# Allegro board 6089-103-RevB_76.brd (continued)
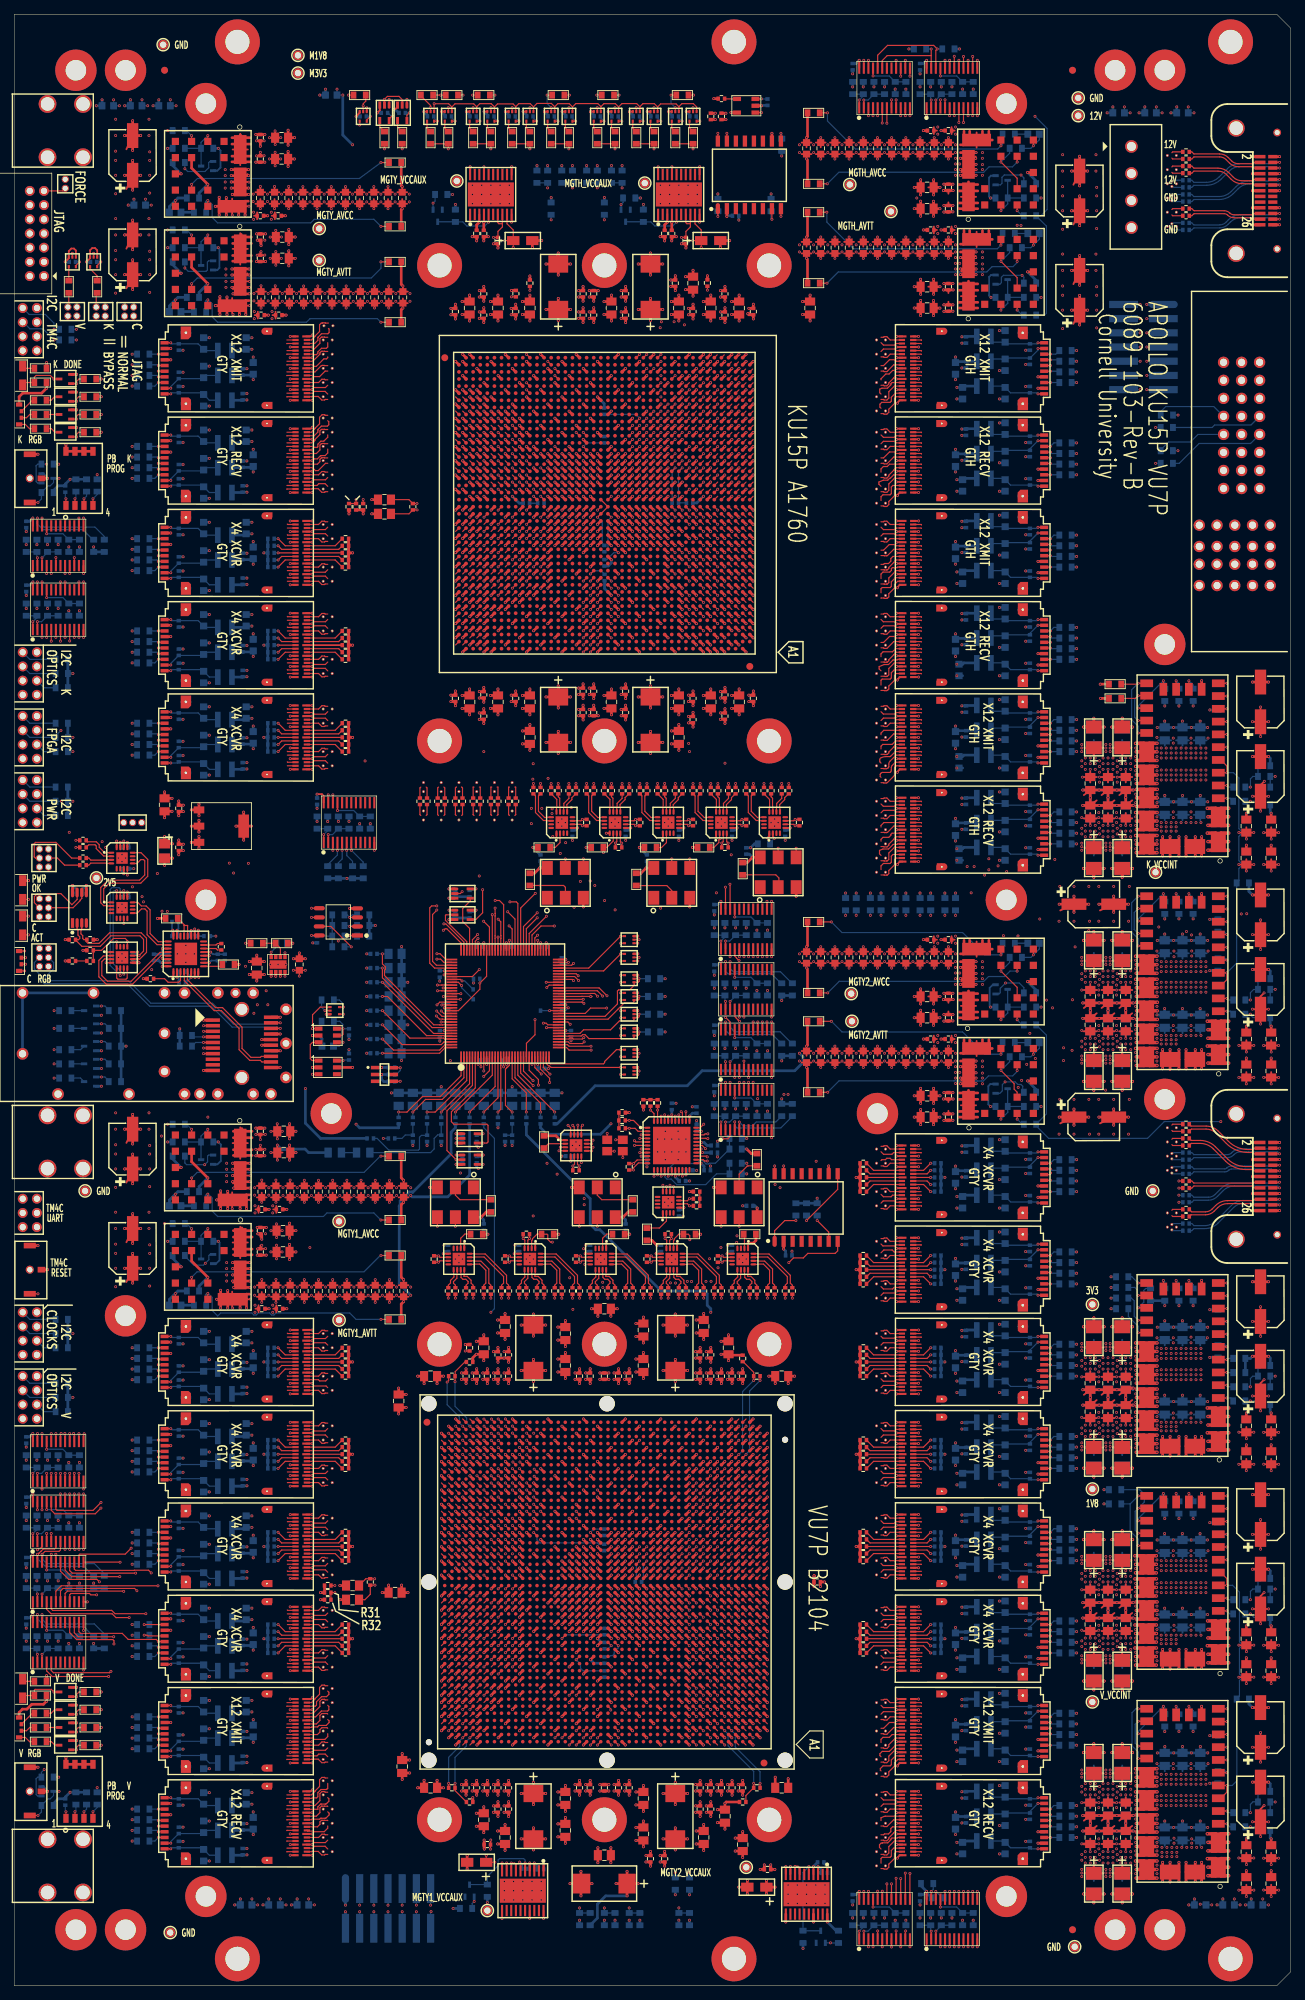
[diagram p0: board, top side]
## Routing (per net, layer and track width the routed paths; a pad name or vN(x,y) marks a point on that pad's centre or on a via; arc(x,y) is an arc through that point) (continued)
PK_FF3_RECV3: length 30
  TOP w0.165: U65.AT2 103.17,223.87 ; 127.9,217.38 127.9,217.35 127.85,217.4 U105.B15
  SIG2 w0.083: 127.9,217.38 127.61,217.38 127.43,217.21 124.81,217.21 arc(124.61,217.25) 124.44,217.36 124.08,217.72 arc(123.78,217.92) 123.44,217.99 112.48,217.99 arc(111.17,218.25) 110.05,218.99 104.54,224.51 103.93,224.51 arc(103.82,224.49) 103.73,224.42 103.69,224.39 arc(103.63,224.29) 103.61,224.18 103.61,223.86 103.19,223.86 103.17,223.87
PK_FF3_RECV4: length 28.9
  TOP w0.165: U65.AR4 101.17,222.87 ; 122.2,215.28 122.56,215.28 123.4,216.12 124.13,216.12 124.34,215.9 U105.A12
  SIG4 w0.083: 122.2,215.28 121.32,215.28 arc(121.18,215.25) 121.07,215.17 120.96,215.07 arc(120.89,215.02) 120.82,215.01 120.7,215.01 arc(120.6,215.03) 120.51,215.09 113.4,222.2 arc(111.95,223.17) 110.24,223.51 101.93,223.51 arc(101.69,223.41) 101.59,223.17 101.59,222.96 arc(101.57,222.9) 101.51,222.87 101.17,222.87
PK_FF3_RECV5: length 29.9
  TOP w0.165: U105.B12 127.85,215.9 127.9,215.85 127.9,215.88 ; U65.AP2 103.17,221.87
  SIG2 w0.083: 127.9,215.88 127.61,215.88 127.4,215.68 126.47,215.68 arc(126.29,215.71) 126.13,215.82 126.11,215.84 arc(125.9,215.98) 125.65,216.03 112.64,216.03 arc(111.34,216.29) 110.24,217.02 104.75,222.52 103.93,222.52 arc(103.81,222.5) 103.72,222.44 103.69,222.4 arc(103.62,222.31) 103.6,222.2 103.6,221.85 103.2,221.85 103.17,221.87
PK_FF3_RECV6: length 29.2
  TOP w0.165: U105.A9 123.4,214.4 123.07,214.06 122.53,214.06 122.2,213.74 122.2,213.28 ; U65.AN4 101.17,220.87
  SIG4 w0.083: 101.17,220.87 101.49,220.87 101.57,220.96 101.57,221.16 arc(101.67,221.41) 101.92,221.51 110.84,221.51 arc(111.99,221.28) 112.97,220.63 120.38,213.21 arc(120.55,213.1) 120.76,213.06 121.03,213.06 arc(121.19,213.09) 121.32,213.18 121.32,213.18 arc(121.43,213.25) 121.56,213.28 122.2,213.28
PK_FF3_RECV7: length 29.8
  TOP w0.165: U65.AM2 103.17,219.87 ; 127.9,214.38 127.9,214.35 127.85,214.4 U105.B9
  SIG2 w0.083: 103.17,219.87 103.2,219.85 103.59,219.85 103.59,220.2 arc(103.61,220.31) 103.68,220.41 103.71,220.44 arc(103.8,220.51) 103.92,220.53 104.72,220.53 110.3,214.95 arc(111.28,214.29) 112.45,214.06 125.47,214.06 arc(125.54,214.08) 125.6,214.12 125.61,214.13 arc(125.71,214.2) 125.83,214.22 127.45,214.22 127.61,214.38 127.9,214.38
PK_FF3_RECV8: length 30
  TOP w0.165: U105.A6 123.99,212.9 123.54,212.45 123.39,212.39 123.15,212.14 122.53,212.14 121.9,211.88 121.9,211.58 122.2,211.28 ; U65.AL4 101.17,218.87
  SIG4 w0.083: 101.17,218.87 101.52,218.87 101.57,218.92 101.57,219.17 arc(101.67,219.42) 101.93,219.53 110.36,219.53 arc(112.08,219.19) 113.54,218.21 120.76,210.99 arc(120.79,210.97) 120.84,210.96 120.97,210.96 arc(121,210.97) 121.02,210.98 121.29,211.25 arc(121.32,211.27) 121.36,211.28 122.2,211.28
PK_FF3_RECV9: length 29.8
  TOP w0.165: U105.B6 127.85,212.9 127.9,212.85 127.9,212.88 ; U65.AK2 103.17,217.87
  SIG2 w0.083: 127.9,212.88 127.61,212.88 127.45,212.72 124.34,212.72 arc(123.94,212.64) 123.61,212.42 123.47,212.28 arc(123.19,212.09) 122.86,212.03 112.7,212.03 arc(111.6,212.25) 110.67,212.87 105.6,217.94 arc(104.95,218.37) 104.18,218.53 103.9,218.53 arc(103.78,218.51) 103.69,218.44 103.65,218.41 arc(103.59,218.31) 103.57,218.2 103.57,217.96 103.49,217.87 103.17,217.87
PK_FF3_RECV10: length 30.3
  TOP w0.165: 122.2,209.28 122.2,209.81 122.47,210.08 123.48,210.08 123.65,210.25 123.65,211.18 123.87,211.4 U105.A3 ; U65.AJ4 101.17,216.87
  SIG4 w0.083: 122.2,209.28 121.58,209.28 arc(121.42,209.25) 121.28,209.16 121.16,209.04 arc(121.13,209.02) 121.1,209.01 120.92,209.01 arc(120.89,209.02) 120.86,209.04 113.51,216.39 arc(112.25,217.23) 110.77,217.53 101.9,217.53 arc(101.67,217.43) 101.57,217.19 101.57,217 arc(101.53,216.91) 101.44,216.87 101.17,216.87
PK_FF3_RECV11: length 29.9
  TOP w0.165: U105.B3 127.85,211.4 127.9,211.35 127.9,211.38 ; U65.AH2 103.17,215.87
  SIG2 w0.083: 103.17,215.87 103.49,215.87 103.57,215.96 103.57,216.2 arc(103.59,216.31) 103.65,216.41 103.69,216.44 103.9,216.53 104.74,216.53 105.87,216.06 110.54,211.39 arc(111.2,210.86) 111.95,210.46 112.56,210.22 arc(112.99,210.1) 113.42,210.06 122.82,210.06 arc(123.33,210.16) 123.76,210.45 124.16,210.85 arc(124.57,211.13) 125.05,211.22 127.45,211.22 127.61,211.38 127.9,211.38
PK_FF3_XMIT0: length 37.7
  TOP w0.165: 127.9,231.88 127.9,231.85 127.85,231.9 U104.B18 ; U65.AT10 95.17,223.87
  SIG3 w0.083: 127.9,231.88 127.69,231.68 124.21,231.68 arc(123.77,231.59) 123.39,231.34 123.28,231.23 arc(123.07,231.09) 122.83,231.04 114.43,231.04 arc(112.45,230.65) 110.77,229.53 106.73,225.49 arc(105.59,224.72) 104.25,224.46 95.92,224.46 arc(95.8,224.43) 95.71,224.37 95.67,224.33 arc(95.6,224.24) 95.58,224.12 95.58,223.87 95.18,223.87 95.17,223.87
PK_FF3_XMIT1: length 30.3
  TOP w0.165: U65.AT6 99.17,223.87 ; U104.A18 123.49,231.9 123.03,232.36 122.64,232.36 122.56,232.28 122.2,232.28
  SIG1 w0.083: 122.2,232.28 121.53,232.28 arc(121.43,232.26) 121.34,232.2 121.22,232.08 arc(121.14,232.03) 121.05,232.01 120.52,232.01 arc(120.26,231.96) 120.03,231.81 113.63,225.41 arc(113.35,225.18) 113.02,225 112.16,224.64 arc(111.8,224.54) 111.44,224.5 99.91,224.5 arc(99.67,224.4) 99.57,224.17 99.57,223.98 arc(99.53,223.91) 99.44,223.87 99.17,223.87
PK_FF3_XMIT2: length 35.5
  TOP w0.165: U65.AR8 97.17,222.87 ; 127.9,230.38 127.9,230.35 127.85,230.4 U104.B15
  SIG3 w0.083: 97.17,222.87 97.49,222.87 97.57,222.96 97.57,223.2 arc(97.59,223.31) 97.65,223.41 97.69,223.44 arc(97.78,223.51) 97.9,223.53 105.54,223.53 arc(106.6,223.74) 107.51,224.34 110.74,227.58 arc(112.28,228.61) 114.1,228.97 122.21,228.97 arc(122.67,229.06) 123.06,229.32 123.6,229.86 arc(124.05,230.16) 124.58,230.26 127.78,230.26 127.9,230.38
PK_FF3_XMIT3: length 34.9
  TOP w0.165: U104.A15 124.34,230.4 124.12,230.62 122.54,230.62 122.2,230.28 ; U65.AP10 95.17,221.87
  SIG1 w0.083: 122.2,230.28 121.51,230.28 arc(121.43,230.27) 121.36,230.22 121.25,230.11 arc(121.14,230.04) 121,230.01 120.44,230.01 arc(120.32,229.99) 120.22,229.92 114.07,223.77 arc(113.8,223.59) 113.48,223.53 96.03,223.53 arc(95.92,223.51) 95.82,223.44 95.73,223.35 arc(95.65,223.23) 95.62,223.09 95.62,222.19 95.3,221.87 95.17,221.87
PK_FF3_XMIT4: length 33.3
  TOP w0.165: U65.AP6 99.17,221.87 ; U104.B12 127.85,228.9 127.9,228.85 127.9,228.88
  SIG3 w0.083: 99.17,221.87 99.49,221.87 99.57,221.96 99.57,222.2 arc(99.59,222.31) 99.65,222.41 99.69,222.44 arc(99.78,222.51) 99.9,222.53 106.82,222.53 arc(107.8,222.72) 108.63,223.28 111.27,225.91 arc(112.48,226.73) 113.91,227.01 122.15,227.01 arc(122.56,227.09) 122.91,227.32 123.9,228.32 arc(124.33,228.6) 124.84,228.7 127.72,228.7 127.9,228.88
PK_FF3_XMIT5: length 32.7
  TOP w0.165: U104.A12 124.34,228.9 124.13,229.11 123.39,229.11 122.56,228.28 122.2,228.28 ; U65.AN8 97.17,220.87
  SIG1 w0.083: 122.2,228.28 121.54,228.28 arc(121.43,228.26) 121.34,228.2 121.27,228.13 arc(121.15,228.05) 121,228.02 120.53,228.02 arc(120.34,227.98) 120.17,227.87 115.51,223.21 arc(114.75,222.7) 113.86,222.53 97.94,222.53 arc(97.8,222.5) 97.68,222.42 97.66,222.4 arc(97.59,222.3) 97.57,222.18 97.57,220.96 97.49,220.87 97.17,220.87
PK_FF3_XMIT6: length 37.7
  TOP w0.165: U65.AM10 95.17,219.87 ; U104.B9 127.85,227.4 127.9,227.35 127.9,227.38
  SIG3 w0.083: 127.9,227.38 127.74,227.22 126.37,227.22 arc(125.83,227.11) 125.37,226.81 124.08,225.52 arc(123.49,225.13) 122.8,224.99 113.54,224.99 arc(112.54,224.79) 111.7,224.22 109.79,222.32 arc(108.9,221.72) 107.84,221.51 99.12,221.51 arc(98.93,221.47) 98.77,221.36 98.62,221.21 arc(98.54,221.11) 98.52,220.98 98.52,220.78 arc(98.5,220.67) 98.44,220.58 98.37,220.51 arc(98.27,220.45) 98.16,220.43 95.9,220.43 arc(95.78,220.41) 95.69,220.34 95.65,220.31 arc(95.59,220.21) 95.57,220.1 95.57,219.96 95.49,219.87 95.17,219.87
PK_FF3_XMIT7: length 30
  TOP w0.165: 122.2,226.28 122.2,226.43 122.87,227.1 123.34,227.1 123.85,227.61 124.13,227.61 124.34,227.4 U104.A9 ; U65.AM6 99.17,219.87
  SIG1 w0.083: 99.17,219.87 99.49,219.87 99.57,219.96 99.57,220.1 arc(99.59,220.21) 99.65,220.31 99.69,220.34 arc(99.78,220.41) 99.9,220.43 114.29,220.43 arc(114.7,220.51) 115.04,220.74 120.08,225.78 arc(120.38,225.98) 120.73,226.05 121.05,226.05 arc(121.18,226.08) 121.29,226.15 121.33,226.19 arc(121.43,226.26) 121.55,226.28 122.2,226.28
PK_FF3_XMIT8: length 35.2
  TOP w0.165: 127.9,225.88 127.9,225.85 127.85,225.9 U104.B6 ; U65.AL8 97.17,218.87
  SIG3 w0.083: 97.17,218.87 97.49,218.87 97.57,218.96 97.57,219.1 arc(97.59,219.21) 97.65,219.31 97.69,219.34 arc(97.78,219.41) 97.9,219.43 107.44,219.43 arc(108.9,219.72) 110.15,220.55 111.57,221.98 arc(112.74,222.76) 114.12,223.03 122.44,223.03 arc(122.97,223.14) 123.42,223.44 125.25,225.27 arc(125.75,225.6) 126.34,225.72 127.74,225.72 127.9,225.88
PK_FF3_XMIT9: length 30.7
  TOP w0.165: 122.2,224.28 122.02,224.46 122.02,224.97 122.34,225.1 123.11,225.1 123.59,225.59 123.59,225.73 123.76,225.9 U104.A6 ; U65.AK6 99.17,217.87
  SIG1 w0.083: 122.2,224.28 121.57,224.28 arc(121.43,224.25) 121.32,224.18 121.28,224.14 arc(121.18,224.08) 121.07,224.06 120.55,224.06 arc(120.28,224) 120.05,223.85 114.94,218.74 arc(114.6,218.51) 114.19,218.43 99.9,218.43 arc(99.78,218.41) 99.69,218.34 99.65,218.31 arc(99.59,218.21) 99.57,218.1 99.57,217.96 99.49,217.87 99.17,217.87
PK_FF3_XMIT10: length 35.5
  TOP w0.165: U104.B3 127.85,224.4 127.9,224.35 127.9,224.38 ; U65.AJ8 97.17,216.87
  SIG3 w0.083: 97.17,216.87 97.49,216.87 97.57,216.96 97.57,217.08 arc(97.6,217.21) 97.67,217.33 97.69,217.34 arc(97.78,217.41) 97.9,217.43 108.19,217.43 arc(109.64,217.72) 110.88,218.54 112.3,219.97 arc(113.19,220.57) 114.25,220.77 122.31,220.77 arc(123.1,220.93) 123.76,221.38 126.41,224.02 arc(126.63,224.17) 126.89,224.22 127.74,224.22 127.9,224.38
PK_FF3_XMIT11: length 30.9
  TOP w0.165: U65.AH6 99.17,215.87 ; U104.A3 124.23,224.4 123.65,223.82 123.65,223.27 123.48,223.11 122.31,223.11 122.05,222.85 122.05,222.43 122.2,222.28
  SIG1 w0.083: 99.17,215.87 99.49,215.87 99.54,215.93 arc(99.55,216.09) 99.63,216.22 99.75,216.34 arc(99.85,216.41) 99.97,216.43 100.94,216.43 101.94,216.43 104.16,216.43 arc(104.86,216.44) 105.55,216.45 112.87,216.45 arc(113.77,216.51) 114.65,216.71 arc(114.69,216.72) 114.73,216.74 114.85,216.78 arc(115.31,217.03) 115.71,217.36 120.21,221.86 arc(120.4,221.98) 120.62,222.03 120.94,222.03 arc(121.14,222.07) 121.32,222.18 arc(121.35,222.2) 121.38,222.23 arc(121.44,222.25) 121.49,222.27 arc(121.53,222.28) 121.58,222.28 122.2,222.28
PK_FF4_RECV0: length 38
  TOP w0.165: U65.H41 63.23,194.93 ; U24.B17 38.55,172.4 38.5,172.45
  SIG1 w0.083: 63.23,194.93 62.91,194.93 62.83,195.01 62.83,195.28 arc(62.75,195.49) 62.54,195.57 61.38,195.57 arc(61.31,195.57) 61.25,195.56 arc(61.07,195.49) 60.93,195.37 46.51,180.96 arc(46.09,180.33) 45.94,179.58 45.94,178.48 arc(45.81,177.82) 45.43,177.26 40.96,172.78 arc(40.4,172.41) 39.75,172.28 38.68,172.28 38.51,172.45 38.5,172.45
PK_FF4_RECV1: length 38.8
  TOP w0.165: U24.A17 42.06,172.4 42.27,172.61 43.87,172.61 44.2,172.28 ; U65.G39 65.23,193.93
  SIG1 w0.083: 44.2,172.28 45.08,172.28 45.35,172.01 46.02,172.01 arc(46.24,172.05) 46.42,172.18 46.58,172.34 arc(46.77,172.62) 46.84,172.96 46.84,178.86 arc(47,179.67) 47.46,180.36 61.29,194.18 arc(61.69,194.46) 62.17,194.58 64.54,194.58 arc(64.75,194.49) 64.83,194.29 64.83,194.01 64.91,193.93 65.23,193.93
PK_FF4_RECV2: length 35.4
  TOP w0.165: U24.B14 38.55,173.9 38.5,173.95 ; U65.F41 63.23,192.93
  SIG2 w0.083: 63.23,192.93 63.21,192.91 62.91,192.91 62.91,193.18 arc(62.88,193.33) 62.8,193.45 62.79,193.45 arc(62.65,193.55) 62.49,193.58 62.19,193.58 arc(61.91,193.52) 61.67,193.36 61.53,193.23 arc(61.35,192.96) 61.29,192.65 61.29,192.6 arc(61.26,192.43) 61.16,192.28 45.07,176.19 arc(44.18,175.6) 43.13,175.39 42.74,175.39 arc(42.14,175.27) 41.64,174.93 40.95,174.25 arc(40.39,173.87) 39.72,173.74 38.73,173.74 38.51,173.95 38.5,173.95
PK_FF4_RECV3: length 34.5
  TOP w0.165: U24.A14 42.91,173.9 43.37,174.36 43.76,174.36 43.84,174.28 44.2,174.28 ; U65.E39 65.23,191.93
  SIG4 w0.083: 44.2,174.28 44.89,174.28 arc(45.03,174.25) 45.15,174.17 45.16,174.16 arc(45.3,174.07) 45.46,174.04 45.78,174.04 arc(46.09,174.1) 46.36,174.26 arc(46.39,174.29) 46.41,174.32 arc(46.59,174.64) 46.69,175 46.7,175.08 46.7,176.97 arc(46.84,177.67) 47.24,178.26 61.01,192.04 arc(61.43,192.33) 61.91,192.47 arc(62,192.48) 62.08,192.48 62.46,192.48 62.46,192.48 62.99,192.48 63,192.48 63.46,192.48 63.46,192.48 64.54,192.48 arc(64.75,192.39) 64.83,192.19 64.83,192.01 64.91,191.93 65.23,191.93
PK_FF4_XMIT0: length 39.1
  TOP w0.165: 44.2,179.52 43.86,179.18 42.28,179.18 42.06,179.4 U24.A3 ; U65.P36 68.23,200.93
  SIG2 w0.083: 44.2,179.52 44.92,179.52 arc(45.03,179.54) 45.11,179.6 45.24,179.73 arc(45.32,179.78) 45.41,179.8 45.48,179.8 arc(45.79,179.86) 46.05,180.03 46.62,180.6 arc(46.84,180.94) 46.92,181.33 46.92,182.36 arc(47,182.74) 47.22,183.07 60.9,196.75 arc(61.59,197.21) 62.4,197.37 65.23,197.37 arc(65.44,197.41) 65.61,197.53 65.67,197.58 arc(65.83,197.82) 65.88,198.09 65.88,200.16 arc(65.9,200.25) 65.95,200.32 65.97,200.35 arc(66,200.36) 66.03,200.37 67.61,200.37 arc(67.81,200.46) 67.9,200.66 67.9,200.84 arc(67.92,200.9) 67.98,200.93 68.23,200.93
PK_FF4_XMIT1: length 42.5
  TOP w0.165: U65.N34 70.23,199.93 ; U24.B3 38.51,179.4
  SIG4 w0.083: 38.51,179.4 38.73,179.61 39.86,179.61 arc(40.47,179.74) 40.99,180.08 44.13,183.22 arc(44.77,183.65) 45.51,183.8 46.42,183.8 arc(47.05,183.92) 47.58,184.28 61.13,197.82 arc(61.71,198.21) 62.39,198.34 69.5,198.34 arc(69.73,198.44) 69.83,198.68 69.83,199.84 69.91,199.93 70.23,199.93
PK_FF4_XMIT2: length 39.2
  TOP w0.165: U24.A6 42.91,177.9 43.37,177.44 43.76,177.44 43.84,177.52 44.2,177.52 ; U65.M36 68.23,198.93
  SIG2 w0.083: 44.2,177.52 44.89,177.52 arc(45.1,177.56) 45.28,177.68 45.38,177.78 arc(45.42,177.8) 45.47,177.81 45.54,177.81 arc(45.75,177.86) 45.92,177.97 47.59,179.64 arc(47.82,179.99) 47.9,180.4 47.9,181.33 arc(47.96,181.63) 48.13,181.88 61.08,194.83 arc(61.68,195.23) 62.38,195.37 67.23,195.37 arc(67.45,195.41) 67.64,195.54 67.67,195.57 arc(67.82,195.8) 67.88,196.08 67.88,198.68 arc(67.88,198.73) 67.87,198.78 arc(67.87,198.78) 67.87,198.78 67.88,198.79 67.88,198.83 67.94,198.89 arc(67.99,198.92) 68.04,198.93 68.23,198.93
PK_FF4_XMIT3: length 42.7
  TOP w0.165: U24.B6 38.51,177.9 ; U65.L34 70.23,197.93
  SIG4 w0.083: 38.51,177.9 38.73,178.11 41.77,178.11 arc(41.83,178.12) 41.89,178.12 arc(42.27,178.24) 42.63,178.42 arc(42.69,178.47) 42.75,178.52 arc(43.14,178.77) 43.6,178.86 44.44,178.86 arc(45.03,178.98) 45.54,179.31 48.09,181.86 arc(48.41,182.31) 48.56,182.84 arc(48.66,183.22) 48.88,183.54 61.15,195.82 arc(61.29,195.93) 61.45,196.01 62,196.24 arc(62.17,196.29) 62.36,196.31 69.51,196.31 arc(69.65,196.34) 69.77,196.42 arc(69.85,196.54) 69.87,196.68 69.87,197.84 69.96,197.93 70.23,197.93
PK_FF5_RECV0: length 32.8
  TOP w0.165: 38.5,185.45 38.55,185.4 U23.B17 ; U65.M41 63.23,198.93
  SIG2 w0.083: 63.23,198.93 62.95,198.93 arc(62.89,198.95) 62.86,199.01 62.86,199.26 arc(62.86,199.3) 62.85,199.34 arc(62.82,199.4) 62.78,199.44 62.74,199.48 arc(62.65,199.55) 62.53,199.57 61.2,199.57 arc(60.3,199.39) 59.54,198.88 47.3,186.64 arc(46.71,186.25) 46.02,186.11 44.41,186.11 43.89,186.11 arc(43.45,186.02) 43.08,185.77 42.89,185.59 arc(42.55,185.36) 42.15,185.28 38.68,185.28 38.51,185.45 38.5,185.45
PK_FF5_RECV1: length 30.8
  TOP w0.165: U65.L39 65.23,197.93 ; U23.A17 42.06,185.4 42.29,185.63 43.85,185.63 44.2,185.28
  SIG2 w0.083: 44.2,185.28 44.96,185.28 arc(45.11,185.25) 45.24,185.16 45.34,185.06 arc(45.44,185) 45.56,184.97 46.21,184.97 arc(47.16,185.16) 47.97,185.7 60.05,197.78 arc(60.72,198.26) 61.51,198.49 arc(61.56,198.5) 61.62,198.5 64.54,198.5 arc(64.75,198.41) 64.83,198.21 64.83,198.01 64.91,197.93 65.23,197.93
PK_FF5_RECV2: length 31.2
  TOP w0.165: 38.5,186.95 38.55,186.9 U23.B14 ; U65.K41 63.23,196.93
  SIG1 w0.083: 63.23,196.93 62.91,196.93 62.83,197.01 62.83,197.22 arc(62.8,197.36) 62.72,197.48 arc(62.62,197.55) 62.49,197.58 59.92,197.58 arc(59.27,197.43) 58.71,197.06 50.99,189.34 arc(49.79,188.54) 48.38,188.26 42.65,188.26 arc(42.06,188.14) 41.56,187.81 40.92,187.16 arc(40.49,186.88) 39.99,186.78 38.68,186.78 38.51,186.95 38.5,186.95
PK_FF5_RECV3: length 29.2
  TOP w0.165: U23.A14 42.91,186.9 43.37,187.36 43.76,187.36 43.84,187.28 44.2,187.28 ; U65.J39 65.23,195.93
  SIG1 w0.083: 44.2,187.28 45.18,187.28 45.5,186.96 49.24,186.96 arc(50.59,187.23) 51.73,187.99 59.85,196.12 arc(60.25,196.4) 60.71,196.56 arc(60.76,196.56) 60.82,196.57 64.54,196.57 arc(64.75,196.48) 64.83,196.28 64.83,196.01 64.91,195.93 65.23,195.93
PK_FF5_XMIT0: length 34.6
  TOP w0.165: U23.A3 42.06,192.4 42.27,192.19 43.87,192.19 44.2,192.52 ; U65.U34 70.23,203.93
  SIG3 w0.083: 44.2,192.52 45.01,192.52 arc(45.06,192.52) 45.1,192.53 45.21,192.58 arc(45.22,192.58) 45.22,192.58 45.33,192.63 arc(45.52,192.76) 45.73,192.8 45.97,192.8 arc(46.25,192.86) 46.49,193.01 56.16,202.69 arc(56.81,203.12) 57.58,203.27 69.5,203.27 arc(69.73,203.37) 69.83,203.61 69.83,203.84 69.91,203.93 70.23,203.93
PK_FF5_XMIT1: length 36.8
  TOP w0.165: U23.B3 38.51,192.4 ; U65.T36 68.23,202.93
  SIG1 w0.083: 38.51,192.4 38.68,192.57 41.72,192.57 arc(42.08,192.5) 42.38,192.3 42.51,192.17 arc(42.86,191.93) 43.28,191.85 49.94,191.85 arc(51.79,192.22) 53.36,193.27 60.99,200.9 arc(61.43,201.2) 61.95,201.3 67.28,201.3 arc(67.48,201.34) 67.65,201.45 67.73,201.53 arc(67.82,201.66) 67.85,201.82 67.85,202.79 arc(67.85,202.81) 67.85,202.82 67.85,202.83 67.85,202.84 67.91,202.9 arc(67.94,202.92) 67.97,202.93 68.23,202.93
PK_FF5_XMIT2: length 30.6
  TOP w0.165: U65.R38 66.23,201.93 ; 44.2,190.52 43.84,190.52 43.76,190.44 43.37,190.44 42.91,190.9 U23.A6
  SIG3 w0.083: 44.2,190.52 44.94,190.52 arc(45.09,190.55) 45.23,190.64 45.29,190.7 arc(45.39,190.77) 45.52,190.8 45.58,190.8 arc(45.76,190.83) 45.9,190.93 55.55,200.57 arc(56.35,201.11) 57.3,201.3 65.49,201.3 arc(65.73,201.4) 65.83,201.64 65.83,201.84 65.91,201.93 66.23,201.93
PK_FF5_XMIT3: length 39.4
  TOP w0.165: U65.R34 70.23,201.93 ; U23.B6 38.51,190.9
  SIG3 w0.083: 70.23,201.93 69.91,201.93 69.83,201.84 69.83,200.93 arc(69.8,200.76) 69.7,200.62 69.61,200.53 arc(69.44,200.41) 69.23,200.37 57.47,200.37 arc(56.87,200.25) 56.36,199.91 46.83,190.38 arc(46.22,189.97) 45.5,189.83 43.83,189.83 arc(43.17,189.96) 42.62,190.33 42.3,190.65 arc(41.83,190.96) 41.29,191.07 38.68,191.07 38.51,190.9
PK_FF6_RECV0: length 29.8
  TOP w0.165: U22.B17 38.55,198.4 38.5,198.45 ; U65.V41 63.23,204.93
  SIG1 w0.083: 38.5,198.45 38.51,198.46 39.34,198.46 arc(39.36,198.46) 39.38,198.45 39.4,198.45 arc(39.44,198.45) 39.48,198.45 42.32,198.45 arc(42.36,198.45) 42.4,198.45 42.46,198.45 arc(42.48,198.46) 42.5,198.46 42.53,198.46 arc(42.66,198.49) 42.8,198.54 42.82,198.55 arc(42.97,198.61) 43.1,198.7 43.11,198.7 arc(43.54,198.92) 44.02,199.01 54.07,199.01 arc(54.15,199.02) 54.22,199.04 54.44,199.13 arc(54.51,199.17) 54.57,199.22 54.57,199.22 60.56,205.2 arc(60.97,205.48) 61.47,205.58 62.47,205.58 arc(62.73,205.48) 62.83,205.22 62.83,205.01 62.91,204.93 63.23,204.93
PK_FF6_RECV1: length 25.5
  TOP w0.165: 44.2,198.28 43.86,198.62 42.28,198.62 42.06,198.4 U22.A17 ; U65.T41 63.23,202.93
  SIG1 w0.083: 63.23,202.93 62.91,202.93 62.83,203.01 62.83,203.23 arc(62.73,203.48) 62.48,203.58 61.32,203.58 arc(60.78,203.47) 60.32,203.17 55.87,198.72 arc(55.14,198.23) 54.28,198.06 45.6,198.06 arc(45.46,198.09) 45.34,198.17 45.32,198.19 arc(45.22,198.26) 45.1,198.28 44.2,198.28
PK_FF6_RECV2: length 27.7
  TOP w0.165: U22.B14 38.55,199.9 38.5,199.95 ; U65.P41 63.23,200.93
  SIG2 w0.083: 38.5,199.95 38.51,199.95 38.68,199.78 42.09,199.78 arc(42.5,199.86) 42.84,200.09 43.83,201.08 arc(44.25,201.38) 44.73,201.53 arc(44.79,201.54) 44.85,201.54 62.51,201.54 arc(62.65,201.51) 62.75,201.42 arc(62.81,201.3) 62.83,201.18 62.83,201.04 arc(62.84,201.01) 62.86,200.98 62.91,200.93 63.23,200.93
PK_FF6_RECV3: length 25.5
  TOP w0.165: U22.A14 42.91,199.9 43.37,200.36 43.76,200.36 43.84,200.28 44.2,200.28 ; U65.N39 65.23,199.93
  SIG4 w0.083: 65.23,199.93 64.91,199.93 64.83,200.01 64.83,200.26 arc(64.75,200.47) 64.54,200.55 58.96,200.55 arc(58.9,200.55) 58.84,200.54 arc(58.55,200.44) 58.31,200.26 58.27,200.21 arc(58.04,200.06) 57.78,200.01 45.84,200.01 arc(45.62,200.05) 45.43,200.18 45.43,200.18 arc(45.32,200.26) 45.19,200.28 44.2,200.28
PK_FF6_XMIT0: length 26.5
  TOP w0.165: 44.2,205.52 43.86,205.18 42.28,205.18 42.06,205.4 U22.A3 ; U65.W38 66.23,205.93
  SIG4 w0.083: 66.23,205.93 65.91,205.93 65.83,205.84 65.83,205.61 arc(65.73,205.37) 65.49,205.27 54.08,205.27 arc(53.82,205.32) 53.6,205.47 53.48,205.6 arc(53.32,205.7) 53.13,205.74 45.56,205.74 arc(45.46,205.72) 45.37,205.66 45.33,205.62 arc(45.22,205.55) 45.08,205.52 44.2,205.52
PK_FF6_XMIT1: length 34.7
  TOP w0.165: U22.B3 38.51,205.4 ; U65.W34 70.23,205.93
  SIG2 w0.083: 70.23,205.93 69.91,205.93 69.83,205.84 69.83,205.73 arc(69.72,205.47) 69.47,205.36 54.76,205.36 arc(53.9,205.53) 53.18,206.01 52.81,206.39 arc(52.42,206.65) 51.97,206.74 44.47,206.74 arc(43.86,206.62) 43.34,206.27 43.19,206.12 arc(42.58,205.71) 41.86,205.57 38.68,205.57 38.51,205.4
PK_FF6_XMIT2: length 28.5
  TOP w0.165: U22.A6 42.91,203.9 43.37,203.44 43.76,203.44 43.84,203.52 44.2,203.52 ; U65.V36 68.23,204.93
  SIG2 w0.083: 44.2,203.52 44.84,203.52 arc(45.05,203.56) 45.23,203.68 45.32,203.77 arc(45.41,203.83) 45.51,203.85 52.1,203.85 arc(52.49,203.93) 52.81,204.15 52.84,204.18 arc(53.06,204.32) 53.32,204.37 67.46,204.37 arc(67.72,204.48) 67.83,204.74 67.83,204.84 67.91,204.93 68.23,204.93
PK_FF6_XMIT3: length 30.7
  TOP w0.165: U22.B6 38.51,203.9 ; U65.U38 66.23,203.93
  SIG4 w0.083: 66.23,203.93 65.91,203.93 65.84,203.85 65.84,203.62 arc(65.74,203.37) 65.49,203.27 61.56,203.27 arc(61.22,203.21) 60.92,203.02 arc(60.85,202.97) 60.78,202.92 arc(60.58,202.82) 60.37,202.76 arc(60.31,202.74) 60.24,202.74 43.97,202.74 arc(43.59,202.81) 43.28,203.03 42.51,203.79 arc(42.2,204) 41.84,204.07 38.68,204.07 38.51,203.9
PK_FF7_RECV0: length 25.8
  TOP w0.165: 44.2,210.52 43.84,210.52 43.76,210.44 43.36,210.44 42.86,210.94 41.98,210.94 41.94,210.9 U21.A18 ; U65.AE39 65.23,212.87
  SIG4 w0.083: 44.2,210.52 44.91,210.52 arc(45.06,210.55) 45.18,210.63 45.27,210.72 arc(45.36,210.78) 45.46,210.8 59.24,210.8 arc(60.13,210.98) 60.88,211.48 61.34,211.94 arc(61.66,212.17) 62.05,212.29 arc(62.09,212.29) 62.13,212.29 64.44,212.29 arc(64.59,212.32) 64.72,212.41 arc(64.8,212.54) 64.83,212.69 64.83,212.79 64.91,212.87 65.23,212.87
PK_FF7_RECV1: length 27.9
  TOP w0.165: U65.AF41 63.23,213.87 ; U21.B18 38.45,210.9 38.45,210.87
  SIG2 w0.083: 38.45,210.87 38.61,211.03 42.03,211.03 arc(42.54,211.13) 42.97,211.41 43.12,211.57 arc(43.49,211.81) 43.92,211.9 44.46,211.9 59.93,211.9 arc(60.5,212.01) 60.99,212.34 61.63,212.98 arc(61.98,213.21) 62.38,213.29 62.46,213.29 arc(62.72,213.4) 62.83,213.66 62.83,213.79 62.91,213.87 63.23,213.87
PK_FF7_RECV2: length 25.7
  TOP w0.165: U21.A15 42.06,212.4 42.26,212.19 43.88,212.19 44.2,212.52 ; U65.AG39 65.23,214.87
  SIG4 w0.083: 44.2,212.52 45.13,212.52 arc(45.17,212.52) 45.21,212.53 arc(45.28,212.55) 45.35,212.58 arc(45.38,212.61) 45.41,212.63 arc(45.54,212.71) 45.68,212.74 58.47,212.74 arc(59.78,213) 60.89,213.74 61.01,213.85 arc(61.52,214.2) 62.13,214.32 64.52,214.32 64.54,214.34 arc(64.75,214.43) 64.83,214.63 64.83,214.79 64.91,214.87 65.23,214.87
PK_FF7_RECV3: length 28
  TOP w0.165: 38.45,212.37 38.45,212.4 U21.B15 ; U65.AH41 63.23,215.87
  SIG2 w0.083: 38.45,212.37 38.61,212.53 39.31,212.53 arc(39.69,212.57) 40.06,212.68 40.85,213 arc(41.29,213.24) 41.68,213.56 41.78,213.66 arc(42,213.81) 42.25,213.86 59.65,213.86 arc(60.21,213.97) 60.69,214.29 61.41,215.01 arc(61.74,215.23) 62.13,215.31 62.47,215.31 arc(62.73,215.41) 62.83,215.67 62.83,215.79 62.91,215.87 63.23,215.87
PK_FF7_RECV4: length 26.1
  TOP w0.165: 44.2,214.52 43.88,214.52 42.86,213.49 42.47,213.49 42.06,213.9 U21.A12 ; U65.AJ39 65.23,216.87
  SIG4 w0.083: 65.23,216.87 65.22,216.87 arc(65.18,216.88) 65.14,216.88 arc(65.07,216.88) 65,216.88 arc(64.89,216.81) 64.85,216.7 64.85,216.68 64.85,216.67 arc(64.84,216.64) 64.83,216.61 64.69,216.46 arc(64.48,216.33) 64.24,216.28 61.46,216.28 arc(61.21,216.23) 60.99,216.09 59.94,215.03 arc(59.63,214.82) 59.26,214.75 45.56,214.75 arc(45.46,214.73) 45.38,214.68 45.34,214.64 arc(45.21,214.55) 45.05,214.52 44.2,214.52
PK_FF7_RECV5: length 28.2
  TOP w0.165: 38.45,213.87 38.45,213.9 U21.B12 ; U65.AK41 63.23,217.87
  SIG2 w0.083: 63.23,217.87 62.91,217.87 62.83,217.79 62.83,217.65 arc(62.73,217.4) 62.48,217.3 62.02,217.3 arc(61.44,217.18) 60.95,216.85 60.38,216.29 arc(59.75,215.87) 59.02,215.72 43.01,215.72 arc(42.39,215.6) 41.87,215.25 41.19,214.57 arc(40.59,214.17) 39.89,214.03 38.61,214.03 38.45,213.87
PK_FF7_RECV6: length 26.6
  TOP w0.165: U65.AL39 65.23,218.87 ; 44.2,216.52 44.2,215.97 43.83,215.6 43.27,215.6 43.24,215.57 43.17,215.57 42.74,215.14 42.31,215.14 42.06,215.4 U21.A9
  SIG4 w0.083: 65.23,218.87 64.91,218.87 64.83,218.79 64.83,218.6 arc(64.75,218.39) 64.54,218.3 62.06,218.3 arc(61.34,218.16) 60.73,217.75 60.36,217.38 arc(59.67,216.92) 58.87,216.76 45.56,216.76 arc(45.44,216.74) 45.34,216.67 45.3,216.63 arc(45.18,216.55) 45.03,216.52 44.2,216.52